# Altium PCB RFMC.PcbDoc (part 5 of 5) (continued)
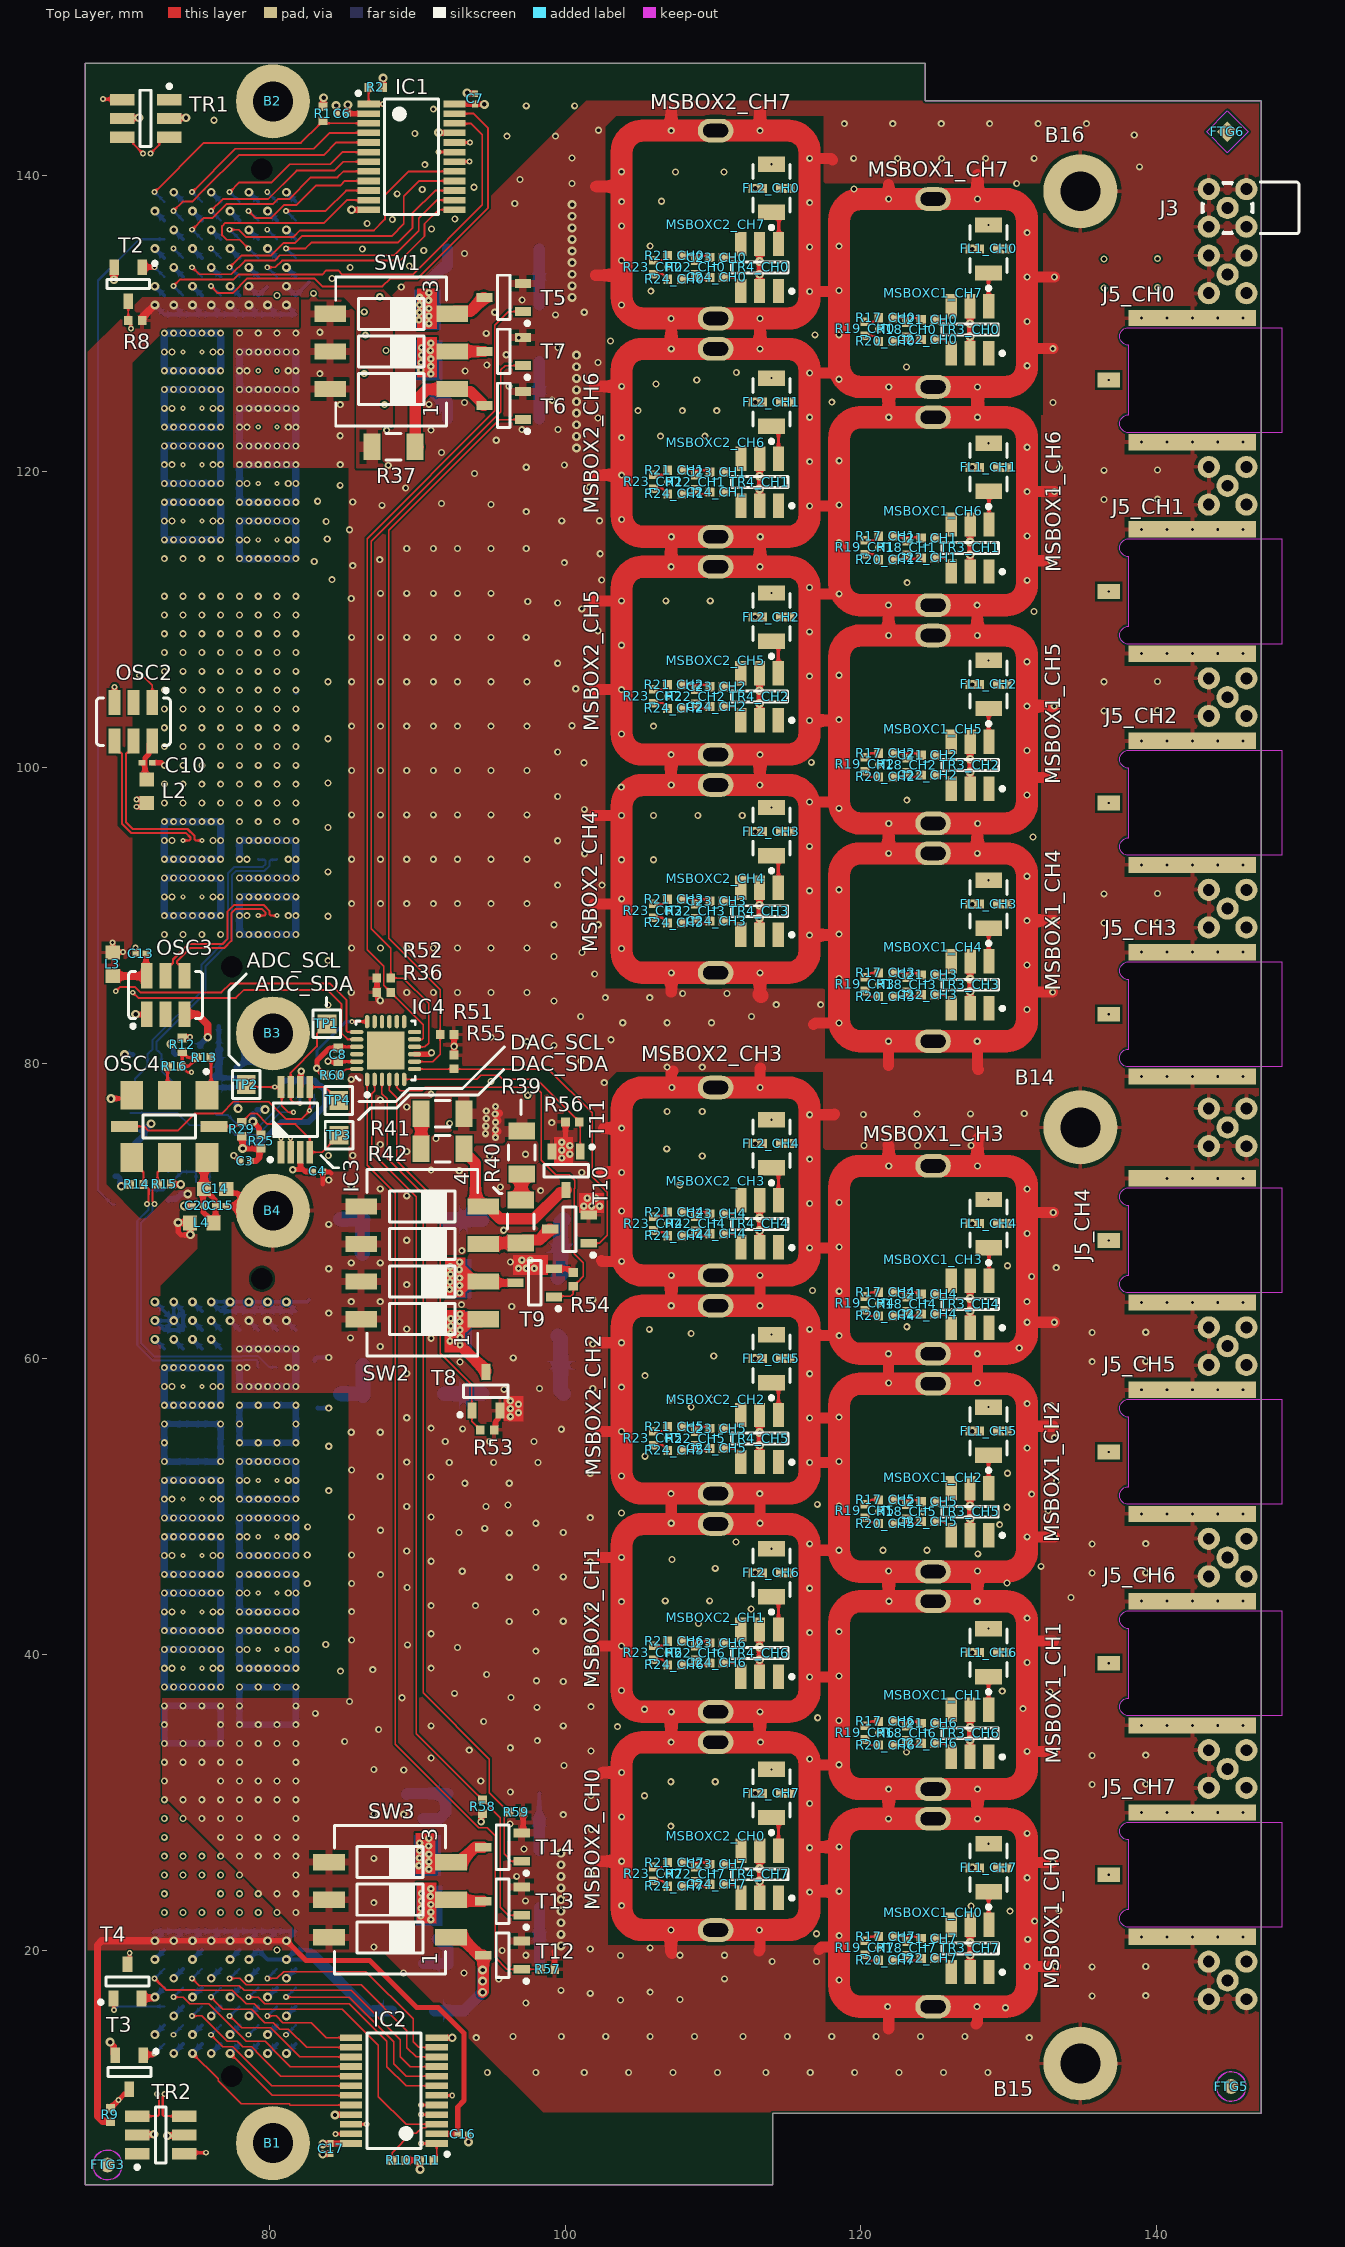
[diagram p0: Top Layer view]
## Nets (pads, with @x,y where several pads share a name; then routed paths per layer and width w, separated by ;. In a path a pad name is that pad's centre, name@x,y a point inside that pad or via, vN(x,y) a via of type N, cw(c..) or ccw(c..) an arc to the next point about the centre after c; other vN are vias at no path point) (continued)
  Top Layer w0.4: R12.1@74.125,81.695 74.18,81.75 v5(74.65,81.75)
  Top Layer w0.5: R9.1@69.275,8.43 69.235,8.47 68.755,8.47 68.4,8.825 68.4,20.388 68.693,20.681 v2(72.277,20.681) ; R8.1@71.42,130.2 71.46,130.24 71.46,130.423 v2(72.277,131.241)
  Layer 2 w0.35: v2(76.087,131.241) 76.662,131.816 76.662,131.936 ; v2(77.357,131.241) 76.662,131.936 ; v2(85.325,144.775) 85.325,144.712 83.638,143.025 82.188,141.575 77.8,141.575 75.5,139.275 75.5,136.225 75.512,136.213 75.512,134.936 75.971,134.477 76.204,134.477 76.662,134.019 76.662,131.936
  Layer 6 w0.35: v6(81.6,72.8) 81.6,73.35 v2(78.9,76.05) 81.65,78.8 82.375,78.8 v6(83.225,79.65)
  Bottom Layer w0.2: v6(83.225,79.65) 83.225,80.85 85.175,82.8 v4(85.6,82.8)
  Bottom Layer w0.254: 72.167,21.235 72.248,21.316 J2.h34@72.912,21.316 ; v2(72.277,20.681) J2.h34@72.912,21.316 ; v2(72.277,131.241) J1.h7@72.912,130.606 J1.g7@74.182,130.606 ; v2(73.547,20.681) J2.g34@74.182,21.316 ; v2(73.547,131.241) J1.g7@74.182,130.606 ; v2(74.817,20.681) J2.f34@75.452,21.316 ; v2(74.817,131.241) J1.f7@75.452,130.606 ; v2(76.087,20.681) J2.e34@76.722,21.316 ; v2(76.087,131.241) J1.e7@76.722,130.606 ; v2(77.357,20.681) J2.d34@77.992,21.316 ; v2(77.357,131.241) J1.d7@77.992,130.606 ; v2(78.627,20.681) J2.c34@79.262,21.316 ; v2(78.627,131.241) J1.c7@79.262,130.606 ; v2(79.897,20.681) J2.b34@80.532,21.316 ; v2(79.897,131.241) J1.b7@80.532,130.606 ; v2(81.167,20.681) J2.a34@81.802,21.316 J2.b34@80.532,21.316 ; v2(81.167,131.241) J1.a7@81.802,130.606 J1.b7@80.532,130.606 ; J2.h34@72.912,21.316 J2.g34@74.182,21.316 ; J2.g34@74.182,21.316 J2.f34@75.452,21.316 ; J1.g7@74.182,130.606 J1.f7@75.452,130.606 ; J2.f34@75.452,21.316 J2.e34@76.722,21.316 ; J1.f7@75.452,130.606 J1.e7@76.722,130.606 ; J2.e34@76.722,21.316 J2.d34@77.992,21.316 ; J1.e7@76.722,130.606 J1.d7@77.992,130.606 ; J2.d34@77.992,21.316 J2.c34@79.262,21.316 ; J1.d7@77.992,130.606 J1.c7@79.262,130.606 ; J2.c34@79.262,21.316 J2.b34@80.532,21.316 ; J1.c7@79.262,130.606 J1.b7@80.532,130.606
  Bottom Layer w0.35: v2(74.5,71.15) v2@74.548,71.198 ; v2(78.9,76.05) L1.1@78.9,76.6 ; L1.1@79.175,76.85 v2(79.725,76.85)
  Bottom Layer w0.4: R3.1@73.2,70.73 73.29,70.82 73.72,70.82 74.039,71.139 74.489,71.139 v2(74.5,71.15)
  Bottom Layer w0.74: 90.425,19.15 92,19.15 92.075,19.075 92.075,20.2 91.93,20.345 91.805,20.345 91.355,20.795 91.351,20.795
  Bottom Layer w0.76: 89.275,30.575 89.325,30.625 R49.1@92.05,30.625 92.075,30.625 91.93,30.48 91.93,29.355 91.5,28.925 90.4,28.925 ; 90.825,125.6 91.605,124.82 91.905,124.82 92.05,124.675 R43.1@92.05,123.55 ; 90.9,132.9 91.045,133.045 91.045,133.099 91.326,133.38 91.355,133.38 91.73,133.755 91.905,133.755 92.05,133.9 R45.1@92.05,135.025
P12V0: J2.a1 J2.b1 J2.c1 J2.d1 J2.e1 R30.1 R33.1 | length 27.4
  Bottom Layer w0.254: 82.7,64 82.561,63.861 v2(81.167,63.861) ; J2.e1@76.722,63.226 v2(77.357,63.861) ; J2.e1@76.722,63.226 J2.d1@77.992,63.226 ; J2.e1@76.722,63.226 v2(76.087,63.861) v2(77.357,63.861) ; v2(77.357,63.861) v2(78.627,63.861) ; v2(77.357,63.861) J2.d1@77.992,63.226 ; J2.d1@77.992,63.226 v2(78.627,63.861) ; J2.d1@77.992,63.226 J2.c1@79.262,63.226 ; v2(78.627,63.861) v2(79.897,63.861) ; v2(78.627,63.861) J2.c1@79.262,63.226 ; J2.c1@79.262,63.226 v2(79.897,63.861) ; J2.c1@79.262,63.226 J2.b1@80.532,63.226 ; v2(79.897,63.861) v2(81.167,63.861) ; v2(79.897,63.861) J2.b1@80.532,63.226 ; J2.b1@80.532,63.226 v2(81.167,63.861) ; J2.b1@80.532,63.226 J2.a1@81.802,63.226 v2(81.167,63.861)
  Bottom Layer w1: 84.8,57.65 R30.1@86.35,57.65 86.35,57.523 86.35,59.554 ; 84.825,69.45 R33.1@86.35,69.45 86.3,69.4 86.3,67.125
RFMC_I2C_SCL: IC1.22 IC2.22 IC3.1 IC4.19 J1.g6 | length 206.6
  Top Layer w0.127: v4(69.625,84.85) 69.925,85.15 70.925,85.15 71.3,84.775 76.775,84.775 77.375,85.375 84.125,85.375 85.225,84.275 85.225,82.175 85.3,82.1 IC4.19@85.925,82.1 ; v5(73.521,132.519) 73.977,132.974 77.599,132.974 77.925,133.3 83.575,133.3 83.85,133.575 84.675,133.575 84.95,133.3 89.7,133.3 94.4,138 94.4,142.75 93.65,143.5 93.125,143.5 93.1,143.525 IC1.22@92.525,143.525 ; IC3.1@80.8,73.975 v4(80.8,74.925) ; IC2.22@85.525,8.275 v5(86.575,8.275)
  Layer 2 w0.127: v5(73.521,132.519) 72.975,131.972 71.047,131.972 69.75,130.675 69.75,107 68.3,105.55 68.3,86.2 70.225,84.275 74,84.275 76.125,82.15 76.5,81.775 76.5,81.05 80.748,76.802 80.748,75.353 80.8,75.301 v4(80.8,74.925) 80.75,74.925 80.05,74.225 79.7,74.225 76.75,71.275 76.75,69.82 70.65,63.72 70.65,20.975 70.975,20.65 70.975,19.375 70.2,18.6 70.2,13.675 74.1,9.775 81.65,9.775 84.3,7.125 85.425,7.125 v5(86.575,8.275)
  Bottom Layer w0.15: v5@73.54,132.519 J1.g6@74.182,131.876
RFMC_I2C_SDA: IC1.23 IC2.23 IC3.2 IC4.20 J1.e6 | length 202.3
  Top Layer w0.127: v4(70.775,84.775) 71.15,84.4 77.75,84.4 78.3,84.95 83.925,84.95 84.9,83.975 84.9,82 85.3,81.6 IC4.20@85.925,81.6 ; v5(76.061,132.519) 76.533,132.047 77.549,132.047 78.018,132.516 78.018,132.557 78.486,133.025 83.075,133.025 83.6,132.5 87.65,132.5 88.175,133.025 90,133.025 94.8,137.825 94.8,143.2 93.825,144.175 IC1.23@92.525,144.175 ; IC3.2@81.45,73.975 v4(81.45,74.925) ; v5(84.475,7.625) IC2.23@85.525,7.625
  Layer 2 w0.127: 68.75,86.8 v4(70.775,84.775) 73.821,84.775 76.925,81.671 76.925,81.33 78.82,79.435 78.82,79.126 80.975,76.971 80.975,75.447 81.45,74.972 v4(81.45,74.925) 81.45,74.9 80.525,73.975 80.15,73.975 77.325,71.15 77.325,69.575 71.127,63.377 71.127,41.366 71.202,41.291 71.202,19.281 71,19.079 71,13.79 74.615,10.175 81.925,10.175 v5(84.475,7.625)
  Layer 2 w0.15: 68.75,86.8 68.75,98.925 70.225,100.4 70.225,130.2 71.741,131.716 75.259,131.716 v5(76.061,132.519)
  Bottom Layer w0.15: v5@76.08,132.519 J1.e6@76.722,131.876
SW1: IC4.1 R57.1 T12.1 | length 66.7
  Top Layer w0.1: IC4.1@86.625,78.9 86.625,73.1 88.525,71.2 88.525,33.959 94.159,28.325 94.725,28.325 95.275,27.775 95.275,19.55 96.075,18.75 T12.1@97.075,18.75 R57.1@98.355,18.75
SW2: IC4.2 R58.1 T13.1 | length 61.3
  Top Layer w0.1: IC4.2@87.125,78.9 87.125,78.118 86.95,77.943 86.95,73.975 89.95,70.975 89.95,34.675 94.405,30.22 95.625,29 95.625,22.925 96.15,22.4 T13.1@97.075,22.4
SW3: IC4.3 R59.1 T14.1 | length 57.4
  Top Layer w0.1: IC4.3@87.625,78.9 87.625,77.932 87.975,77.582 87.975,73.575 90.4,71.15 90.4,37.425 94.89,32.935 94.89,30.685 R59.1@96.175,29.4 ; R59.1@96.23,29.375 96.23,29.355 95.99,29.115 95.97,29.115 95.875,29.02 95.875,26.55 96.375,26.05 T14.1@97.075,26.05
SW4: IC4.4 R53.1 T8.1 | length 26.3
  Top Layer w0.1: IC4.4@88.125,78.9 88.125,78.15 88.625,77.65 88.625,73.4 91.55,70.475 91.55,60.4 93.7,58.25 T8.1@93.7,56.525 93.7,55.78 94.02,55.46 94.04,55.46 94.28,55.22 R53.1@94.28,55.2
SW5: IC4.5 R54.1 T9.1 | length 27.6
  Top Layer w0.1: IC4.5@88.625,78.9 88.625,78.35 88.85,78.125 90.325,78.125 90.55,78.35 98.05,78.35 98.4,78 98.4,73.425 99.375,72.45 100.275,72.45 100.65,72.075 100.65,71.525 100.633,71.508 100.633,67.1 101.225,66.508 101.225,65.58 100.81,65.165 100.81,65.145 R54.1@100.56,64.895 ; T9.1@99.25,64.2 99.296,64.246 100.396,64.246 100.55,64.4 R54.1@100.55,64.905
SW6: IC4.6 R56.1 T11.1 | length 15.3
  Top Layer w0.1: IC4.6@89.125,78.9 94.025,78.9 94.3,79.175 95.525,79.175 95.8,78.9 98.1,78.9 101.025,75.975 T11.1@101.025,74.025
SW7: IC4.7 R55.1 T10.1 | length 23.4
  Top Layer w0.1: IC4.7@89.825,79.6 92.5,79.6 98.875,79.6 101.825,76.65 101.825,72.307 102.85,71.282 102.85,68.35 102.325,67.825 T10.1@101.6,67.825
SW8: IC4.8 R51.1 T6.1 | length 51
  Top Layer w0.1: IC4.8@89.825,80.1 91.05,80.1 91.555,80.605 91.555,84.945 88.075,88.425 88.075,116.025 95.55,123.5 T6.1@97.15,123.5
SW9: IC4.10 R52.1 T7.1 | length 53.9
  Top Layer w0.1: R52.1@88.22,85.75 89.075,85.75 90.775,84.05 90.775,81.35 90.525,81.1 IC4.10@89.825,81.1 ; R52.1@88.225,85.725 88.225,87.75 86.9,89.075 86.9,115.275 95.65,124.025 95.65,126.85 95.95,127.15 T7.1@97.15,127.15
SW10: IC4.11 R36.1 T5.1 | length 56.3
  Top Layer w0.1: IC4.11@89.825,81.6 90.35,81.6 90.425,81.675 90.425,82.575 88.485,84.515 88.465,84.515 88.225,84.755 R36.1@88.225,84.775 88.225,84.795 87.985,85.035 87.965,85.035 87.746,85.254 87.746,86.554 86.625,87.675 86.625,115.45 95.25,124.075 95.25,129.875 96.175,130.8 T5.1@97.15,130.8
VCM01_224: J1.a21
VCM01_225: J1.c21
VCM01_226: J1.e21
VCM01_227: J1.g21
VCM23_224: J1.b21
VCM23_225: J1.d21
VCM23_226: J1.f21
VCM23_227: J1.h21
pads on no net: FTG1.FTG2 FTG2.1 FTG3.FTG2 FTG4.1 FTG5.FTG2 FTG6.1 IC4.12 IC4.13 IC4.14 IC4.15 IC4.16 IC4.17 IC4.22 IC4.25 J1.1 J1.2 J2.1 J2.2 J2.b7 J2.b22 J2.b25 J2.b28 J2.b31 J2.c7 J2.c22 J2.c25 J2.c28 J2.c31 J2.e35 J2.f8 J2.f23 J2.f26 J2.f29 J2.f32 J2.g8 J2.g23 J2.g26 J2.g29 J2.g32 J2.g35 OSC2.2 OSC3.2 TR1.1 TR2.1 TR3_CH0.1 TR3_CH1.1 TR3_CH2.1 TR3_CH3.1 TR3_CH4.1 TR3_CH5.1 TR3_CH6.1 TR3_CH7.1 TR4_CH0.1 TR4_CH1.1 TR4_CH2.1 TR4_CH3.1 TR4_CH4.1 TR4_CH5.1 TR4_CH6.1 TR4_CH7.1
copper on no net:
  other v1: 136.425,132.389 140.05,132.409 136.425,134.355 140.05,134.375

## Polygon pours and split planes (outlines as drawn)
GND on Layer 2 "GND_L03_P018" (solid, remove dead copper, pour order 18): 67.575,4.191 114.046,4.191 114.046,9.017 147.05,9.017 147.05,145.034 124.333,145.034 124.333,147.574 67.575,147.574
P1V8 on Layer 2 "P1V8_L03_P005" (solid, pour order 5): 81.525,18.6 81.525,28.775 72.65,37.65 72.65,58.589 84,69.939 84,81.85 72.7,93.15 72.7,129.375 72.925,129.6 80.5,129.6 81.575,130.675 81.575,133.025 77.975,133.025 77.975,132.493 76.507,131.025 72.45,131.025 71.2,129.775 71.2,87.5 80.975,77.725 80.975,72.925 71.15,63.1 71.15,19.425 71.95,18.625
P3V3 on Layer 2 "P3V3_L03_P002" (solid, pour order 2): 73.25,71.475 77.725,75.95 77.725,77.325 74.025,81.025 74.025,82.375 75.425,82.375 80.425,77.375 80.425,74.175 74.725,68.475 73.25,68.475
P3V3 on Layer 2 "P3V3_L03_P003" (solid, pour order 3): 71.425,98.2 71.425,87.925 70.525,87.025 69.5,87.025 69.2,87.325 69.2,98.2
GND on Top Layer "GND_L01_P020" (solid, remove dead copper, pour order 20): 147.05,9.075 98.525,9.075 85.375,22.225 85.375,128.975 101.434,145.034 147.05,145.034
GND on Top Layer "GND_L01_P015" (solid, pour order 15): 88.25,60.2 85.775,57.725 77.475,57.725 77.475,71.6 78.575,72.7 78.625,72.65 88.25,72.65
GND on Top Layer "GND_L01_P016" (solid, pour order 16): 85.9,130.9 85.9,120.225 77.525,120.225 77.575,120.275 77.575,129.75 81,129.75 82,130.75 82,131.728 82.022,131.75 85.05,131.75
GND on Top Layer "GND_L01_P014" (solid, pour order 14): 96.225,124.175 97.625,124.175 100.625,121.175 101.175,121.175 101.3,121.3 101.3,138.625 100.25,138.625 96.225,134.6
P1V8 on Top Layer "P1V8_L01_P012" (solid, pour order 12): 78.25,132.789 78.25,131.75 85.05,131.75 85.9,130.9 85.9,120.225 85.925,120.2 88.35,120.2 88.35,131.65 86.975,133.025 78.486,133.025
GND on Top Layer "GND_L01_P009" (solid, remove dead copper, pour order 9): 96.375,28.525 96.375,19.525 100.525,19.525 100.525,28.525
GND on Top Layer "GND_L01_P008" (solid, pour order 8): 87.7,19.9 87.7,35.15 85.775,37.075 72.55,37.075 72.55,30.568 81.525,21.593 81.525,20.85 82.475,19.9
P3V3 on Top Layer "P3V3_L01_P001" (solid, pour order 1): 81.525,20.05 81.525,21.593 72.625,30.493 72.625,64.95 75.125,67.45 75.125,71.614 73.789,71.614 71.65,69.475 71.3,69.475 68.975,71.8 68.975,85.687 70.75,87.462 70.75,127.35 73.15,129.75 82,129.75 82,131.75 71.425,131.75 67.55,127.875 67.575,20.05
DAC_AVTT on Top Layer "DAC_AVTT_L01_P011" (solid, remove dead copper, pour order 11): 91.185,75.325 92.375,75.325 93.291,74.584 97.975,74.55 97.975,78.25 91.185,78.25
GND on Bottom Layer "GND_L08_P023" (solid, remove dead copper, pour order 23): 67.575,4.191 114.046,4.191 114.046,9.017 147.05,9.017 147.05,145.034 124.333,145.034 124.333,147.574 67.575,147.574
DAC_AVTT on Bottom Layer "DAC_AVTT_L06_P010" (solid, remove dead copper, pour order 10): 74.7,61.55 74.7,66.45 79.36,71.11 97.035,71.11 98.625,72.7 98.625,76.475 97.275,77.825 84.375,77.825 81.075,74.525 81.025,74.575 78.675,74.575 74.525,70.425 72.65,70.425 71.8,69.575 71.8,61.525
P12V0 on Bottom Layer "P12V0_L08_P006" (solid, remove dead copper, pour order 6): 87.3,71.11 87.3,55.65 83.625,55.65 83.625,60.167 81.167,62.625 76.322,62.625 75.723,63.225 75.723,67.523 79.281,71.081
P1V8 on Bottom Layer "P1V8_L08_P021" (solid, remove dead copper, pour order 21): 81.973,131.654 95.025,144.706 95.025,147.57 95.029,147.574 82.841,147.574 82.841,135.064 80.842,133.065 78.115,133.065 78.1,133.05 78.1,131.654
P1V8 on Bottom Layer "P1V8_L08_P017" (solid, remove dead copper, pour order 17): 78.6,20.35 78.6,18.975 83.65,18.975 83.65,20.35
P3V3 on Bottom Layer "P3V3_L08_P013" (solid, remove dead copper, pour order 13): 72.403,129.336 76.722,129.336 76.722,124.256 85.67,124.256 89.676,120.25 93.153,120.25 93.153,138 88.319,138 82.016,131.697 72.408,131.697
P3V3 on Bottom Layer "P3V3_L08_P007" (solid, remove dead copper, pour order 7): 71.85,20.3 84.725,20.3 87.55,17.475 92.6,17.475 92.6,32.475 71.85,32.475
GND on Layer 1 "GND_L03_P000" (solid, pour order 0): 67.575,147.574 124.333,147.574 124.333,145.034 147.05,145.034 147.05,9.017 114.046,9.017 114.046,4.191 67.575,4.191
GND on Layer 6 "GND_L07_P022" (solid, pour order 22): 67.575,4.191 114.046,4.191 114.046,9.017 147.05,9.017 147.05,145.034 124.333,145.034 124.333,147.574 67.575,147.574
GND on Layer 5 "GND_L06_P019" (solid, remove dead copper, pour order 19): 67.575,4.191 114.046,4.191 114.046,9.017 147.05,9.017 147.05,145.034 124.333,145.034 124.333,147.574 67.575,147.574
GND on Layer 4 (split plane): 489 vertices, not listed, extent 68.085,4.701 146.54,147.064
GND on Layer 3 (split plane): 489 vertices, not listed, extent 68.085,4.701 146.54,147.064

## Keep-outs
Keep-Out Layer:
  lines w0.05: 67.575,4.191 114.046,4.191 114.046,9.017 147.05,9.017 147.05,145.034 ; 67.575,4.191 67.575,4.191 ; 67.575,4.191 67.575,147.574 ; 67.575,147.574 67.575,147.574 ; 67.575,147.574 124.333,147.574 ; 124.333,145.034 124.333,147.574 ; 124.333,145.034 124.333,145.034 ; 124.333,145.034 147.05,145.034 ; 124.333,147.574 124.333,147.574 ; 147.05,145.034 147.05,145.034

## Other copper
Top Layer:
  rectangle net NetOSC3_1: 70.975,83.075 71.375,83.495
  rectangle net ADCIO_16: 87.45,144.65 87.625,144.975
  rectangle net ADC_OSC_I2C_SCL: 80.45,78.225 80.6,78.5
  region net GND: 96.475,67.025 96.475,65.675 98.845,65.675 98.845,67.025
  region net GND: 100.55,74.992 99.25,74.992 99.25,73.259 100.55,73.259
  region net GND: 100.95,71.225 100.95,69.875 102.625,69.875 102.625,71.225
  region net GND: 97.2,57.5 95.85,57.5 95.85,55.767 97.2,55.767
  rectangle net NetR46_2: 89.986,129.607 91.336,132.357
  rectangle net NetR44_2: 89.986,126.332 91.336,129.082
  rectangle net NetR50_2: 89.9,25.2 91.25,27.95
  rectangle net NetR48_2: 89.95,21.85 91.3,24.6
  rectangle net NetR35_2: 91.888,64.15 93.263,66.875
  rectangle net NetR32_2: 91.85,60.45 93.225,63.3
  pour cut-out: 132.275,123.82 117.62,123.82 117.595,123.845 117.595,139.45 132.275,139.45
  pour cut-out: 117.45,128.79 117.45,114.34 102.75,114.34 102.75,128.79 102.925,128.965 117.45,128.965
  pour cut-out: 117.445,143.295 117.445,128.845 102.75,128.845 102.75,143.3 103.45,144 117.445,144
  pour cut-out: 132.15,123.765 132.15,109.315 117.625,109.315 117.6,109.34 117.6,123.915 117.625,123.94 132.15,123.94
  pour cut-out: 117.44,114.29 117.44,99.84 102.75,99.84 102.75,114.3 102.915,114.465 117.44,114.465
  pour cut-out: 132.14,109.265 132.14,94.815 117.615,94.815 117.59,94.84 117.59,109.415 117.615,109.44 132.14,109.44
  pour cut-out: 117.44,99.79 117.44,85.073 102.75,85.073 102.75,99.8 102.915,99.965 117.44,99.965
  pour cut-out: 132.14,94.765 132.14,80.315 117.615,80.315 117.59,80.34 117.59,94.915 117.615,94.94 132.14,94.94
  pour cut-out: 117.45,78.65 117.45,64.2 102.925,64.2 102.9,64.225 102.9,78.8 103.5,79.4 117.45,79.4
  pour cut-out: 132.15,73.625 132.15,59.175 117.625,59.175 117.6,59.2 117.6,74.15 132.15,74.15
  pour cut-out: 117.445,64.145 117.445,49.695 102.92,49.695 102.895,49.72 102.895,64.295 102.92,64.32 117.445,64.32
  pour cut-out: 132.145,59.12 132.145,44.67 117.62,44.67 117.595,44.695 117.595,59.27 117.62,59.295 132.145,59.295
  pour cut-out: 117.445,49.645 117.445,35.195 102.92,35.195 102.895,35.22 102.895,49.795 102.92,49.82 117.445,49.82
  pour cut-out: 132.145,44.62 132.145,30.17 117.62,30.17 117.595,30.195 117.595,44.77 117.62,44.795 132.145,44.795
  pour cut-out: 132.15,30.075 132.15,15.175 117.6,15.175 117.6,30.225 117.625,30.25 132.15,30.25
  pour cut-out: 117.45,35.1 117.45,20.375 102.9,20.375 102.9,35.25 102.925,35.275 117.45,35.275
Bottom Layer:
  rectangle net NetR44_2: 89.925,126.134 91.723,128.884
  rectangle net NetR46_2: 89.8,129.534 91.598,132.284
  rectangle net NetR50_2: 89.8,25.059 91.598,27.809
  rectangle net NetR48_2: 89.925,21.659 91.723,24.409
  rectangle net NetR35_2: 91.875,64.075 93.673,66.759
  rectangle net NetR32_2: 91.9,60.5 93.699,63.25

## Silkscreen, mask and mechanical layers (free items; w line width, h text height)
Top Overlay:
  lines w0.2: 77.95,79.875 77.275,80.55 77.275,82.425 77.275,84.85 78.45,86.025 ; 83.5,73.75 84.325,72.925 84.7,72.925 ; 83.875,83.875 83.875,84.425 ; 86.05,76.175 86.825,76.95 88.6,76.95 89.5,77.85 94.125,77.85 95.85,79.575 ; 86.075,77.4 88.575,77.4 89.375,78.2 89.45,78.275 93.075,78.275 95.9,81.1 ; 95.175,71.575 95.55,71.2 95.75,71.2 ; 97.025,76.525 97.025,77.5
  text "ADC_SCL" at 78.492,86.46 h1
  text "ADC_SDA" at 79.05,84.842 h1
  text "DAC_SCL" at 96.292,80.91 h1
  text "DAC_SDA" at 96.292,79.435 h1
Mechanical 1:
  lines w0.05: 145.158,9.017 147.05,9.017 147.05,21.591 146.7,21.591 ; 145.161,9.017 137.223,9.017 114.046,9.017 114.046,4.191 ; 146.7,28.691 147.05,28.691 147.05,35.881 146.7,35.881 ; 146.7,42.981 147.05,42.981 147.05,50.171 146.7,50.171 ; 146.7,57.271 147.05,57.271 147.05,64.461 146.7,64.461 ; 146.7,71.561 147.05,71.561 147.05,79.745 146.7,79.745 ; 146.7,86.845 147.05,86.845 147.05,94.035 146.7,94.035 ; 146.7,101.135 147.05,101.135 147.05,108.325 146.7,108.325 ; 146.7,115.425 147.05,115.425 147.05,122.615 146.7,122.615 ; 146.7,129.715 147.05,129.715 147.05,130.034 ; 147.05,130.033 147.05,145.034 ; 67.575,4.191 67.575,147.574 ; 67.575,4.191 67.575,4.191 ; 67.575,4.191 114.046,4.191 ; 67.575,147.574 124.333,147.574 ; 67.575,147.574 67.575,147.574 ; 114.046,4.191 114.046,4.191 ; 124.333,145.034 147.05,145.034 ; 124.333,145.034 124.333,145.034 ; 124.333,145.034 124.333,147.574 ; 124.333,147.574 124.333,147.574 ; 147.05,145.034 147.05,145.034
Drill Drawing:
  drawing of 588 lines, arcs and shapes, not listed
  text "Layer" at 168.043,194.84 h1.52
  text "Name" at 178.455,194.84 h1.52
  text "Material" at 202.071,194.84 h1.52
  text "Thickness" at 223.909,194.84 h1.52
  text "Constant" at 240.415,194.84 h1.52
  text "Board Layer Stack" at 254.889,194.84 h1.52
  text "Top Overlay" at 178.455,191.792 h1.52
  text "Top Solder" at 178.455,188.744 h1.52
  text "Solder Resist" at 202.071,188.744 h1.52
  text "0,010mm" at 223.909,188.744 h1.52
  text "3.5" at 240.415,188.744 h1.52
  text "1" at 168.043,185.696 h1.52
  text "Top Layer" at 178.455,185.696 h1.52
  text "0,036mm" at 223.909,185.696 h1.52
  text "Dielectric 1" at 178.455,182.648 h1.52
  text "FR408HR" at 202.071,182.648 h1.52
  text "0,102mm" at 223.909,182.648 h1.52
  text "3.32" at 240.415,182.648 h1.52
  text "2" at 168.043,179.6 h1.52
  text "Layer 1" at 178.455,179.6 h1.52
  text "0,018mm" at 223.909,179.6 h1.52
  text "Dielectric 2" at 178.455,176.552 h1.52
  text "FR408HR" at 202.071,176.552 h1.52
  text "0,152mm" at 223.909,176.552 h1.52
  text "3.6" at 240.415,176.552 h1.52
  text "3" at 168.043,173.504 h1.52
  text "Layer 2" at 178.455,173.504 h1.52
  text "0,018mm" at 223.909,173.504 h1.52
  text "Dielectric 5" at 178.455,170.456 h1.52
  text "FR408HR" at 202.071,170.456 h1.52
  text "0,107mm" at 223.909,170.456 h1.52
  text "3.57" at 240.415,170.456 h1.52
  text "4" at 168.043,167.408 h1.52
  text "Layer 3" at 178.455,167.408 h1.52
  text "0,035mm" at 223.909,167.408 h1.52
  text "Dielectric 6" at 178.455,164.36 h1.52
  text "FR408HR" at 202.071,164.36 h1.52
  text "0,711mm" at 223.909,164.36 h1.52
  text "3.75" at 240.415,164.36 h1.52
  text "5" at 168.043,161.312 h1.52
  text "Layer 4" at 178.455,161.312 h1.52
  text "0,035mm" at 223.909,161.312 h1.52
  text "Dielectric 3" at 178.455,158.264 h1.52
  text "FR408HR" at 202.071,158.264 h1.52
  text "0,107mm" at 223.909,158.264 h1.52
  text "3.57" at 240.415,158.264 h1.52
  text "6" at 168.043,155.216 h1.52
  text "Layer 5" at 178.455,155.216 h1.52
  text "0,018mm" at 223.909,155.216 h1.52
  text "Dielectric 4" at 178.455,152.168 h1.52
  text "FR408HR" at 202.071,152.168 h1.52
  text "0,152mm" at 223.909,152.168 h1.52
  text "3.6" at 240.415,152.168 h1.52
  text "7" at 168.043,149.12 h1.52
  text "Layer 6" at 178.455,149.12 h1.52
  text "0,018mm" at 223.909,149.12 h1.52
  text "Dielectric 7" at 178.455,146.072 h1.52
  text "FR408HR" at 202.071,146.072 h1.52
  text "0,102mm" at 223.909,146.072 h1.52
  text "3.32" at 240.415,146.072 h1.52
  text "8" at 168.043,143.024 h1.52
  text "Bottom Layer" at 178.455,143.024 h1.52
  text "0,036mm" at 223.909,143.024 h1.52
  text "Bottom Solder" at 178.455,139.976 h1.52
  text "Solder Resist" at 202.071,139.976 h1.52
  text "0,010mm" at 223.909,139.976 h1.52
  text "3.5" at 240.415,139.976 h1.52
  text "Bottom Overlay" at 178.455,136.928 h1.52
  text "Symbol" at 169.536,129.194 h1.83
  text "Count" at 182.385,129.194 h1.83
  text "Hole Size" at 199.145,129.194 h1.83
  text "Plated" at 228.854,129.194 h1.83
  text "Hole Type" at 241.703,129.194 h1.83
  text "Drill Layer Pair" at 260.342,129.194 h1.83
  text "Via/Pad" at 298.43,129.194 h1.83
  text "Pad Shape" at 313.413,129.194 h1.83
  text "Template" at 332.356,129.194 h1.83
  text "Description" at 362.827,129.194 h1.83
  text "Hole Tolerance (+)" at 384.512,129.194 h1.83
  text "Hole Tolerance (-)" at 418.386,129.194 h1.83
  text "4" at 182.385,125.384 h1.52
  text "57,09mil (1,450mm)" at 199.145,125.384 h1.52
  text "NPTH" at 228.854,125.384 h1.52
  text "Round" at 241.703,125.384 h1.52
  text "Top Layer - Bottom Layer" at 260.342,125.384 h1.52
  text "Pad" at 298.43,125.384 h1.52
  text "Rounded" at 313.413,125.384 h1.52
  text "c45hn145m95" at 332.356,125.384 h1.52
  text "7" at 182.385,121.574 h1.52
  text "106,30mil (2,700mm)" at 199.145,121.574 h1.52
  text "PTH" at 228.854,121.574 h1.52
  text "Round" at 241.703,121.574 h1.52
  text "Top Layer - Bottom Layer" at 260.342,121.574 h1.52
  text "Pad" at 298.43,121.574 h1.52
  text "Rounded" at 313.413,121.574 h1.52
  text "c500h270" at 332.356,121.574 h1.52
  text "32" at 182.385,117.764 h1.52
  text "35,43mil (0,900mm)" at 199.145,117.764 h1.52
  text "PTH" at 228.854,117.764 h1.52
  text "Slot" at 241.703,117.764 h1.52
  text "Top Layer - Bottom Layer" at 260.342,117.764 h1.52
  text "Pad" at 298.43,117.764 h1.52
  text "Rounded" at 313.413,117.764 h1.52
  text "r240_160h90_170r100" at 332.356,117.764 h1.52
  text "50" at 182.385,113.954 h1.52
  text "31,50mil (0,800mm)" at 199.145,113.954 h1.52
  text "PTH" at 228.854,113.954 h1.52
  text "Round" at 241.703,113.954 h1.52
  text "Top Layer - Bottom Layer" at 260.342,113.954 h1.52
  text "Pad" at 298.43,113.954 h1.52
  text "Rounded" at 313.413,113.954 h1.52
  text "c150h80" at 332.356,113.954 h1.52
  text "106" at 182.385,110.144 h1.52
  text "5,91mil (0,150mm)" at 199.145,110.144 h1.52
  text "PTH" at 228.854,110.144 h1.52
  text "Round" at 241.703,110.144 h1.52
  text "Top Layer - Bottom Layer" at 260.342,110.144 h1.52
  text "Via" at 298.43,110.144 h1.52
  text "Rounded" at 313.413,110.144 h1.52
  text "(Mixed)" at 332.356,110.144 h1.52
  text "219" at 182.385,106.334 h1.52
  text "11,81mil (0,300mm)" at 199.145,106.334 h1.52
  text "PTH" at 228.854,106.334 h1.52
  text "Round" at 241.703,106.334 h1.52
  text "Top Layer - Bottom Layer" at 260.342,106.334 h1.52
  text "Via" at 298.43,106.334 h1.52
  text "Rounded" at 313.413,106.334 h1.52
  text "(Mixed)" at 332.356,106.334 h1.52
  text "229" at 182.385,102.524 h1.52
  text "7,87mil (0,200mm)" at 199.145,102.524 h1.52
  text "PTH" at 228.854,102.524 h1.52
  text "Round" at 241.703,102.524 h1.52
  text "Top Layer - Bottom Layer" at 260.342,102.524 h1.52
  text "Via" at 298.43,102.524 h1.52
  text "Rounded" at 313.413,102.524 h1.52
  text "(Mixed)" at 332.356,102.524 h1.52
  text "618" at 182.385,98.714 h1.52
  text "9,84mil (0,250mm)" at 199.145,98.714 h1.52
  text "PTH" at 228.854,98.714 h1.52
  text "Round" at 241.703,98.714 h1.52
  text "Top Layer - Bottom Layer" at 260.342,98.714 h1.52
  text "Via" at 298.43,98.714 h1.52
  text "Rounded" at 313.413,98.714 h1.52
  text "(Mixed)" at 332.356,98.714 h1.52
  text "780" at 182.385,94.904 h1.52
  text "9,84mil (0,250mm)" at 199.145,94.904 h1.52
  text "PTH" at 228.854,94.904 h1.52
  text "Round" at 241.703,94.904 h1.52
  text "Top Layer - Bottom Layer" at 260.342,94.904 h1.52
  text "Via" at 298.43,94.904 h1.52
  text "Rounded" at 313.413,94.904 h1.52
  text "v48h25m0mx0" at 332.356,94.904 h1.52
  text "2045 Total" at 182.385,91.094 h1.52
  text "Slot definitions :" at 169.536,87.412 h1.52
  text "Routed Path Length" at 195.766,87.412 h1.52
  text "= Calculated from tool start centre position to tool end centre position." at 223.774,87.412 h1.52
  text "Hole Length" at 195.766,84.872 h1.52
  text "= Routed Path Length + Tool Size = Slot length as defined in the PCB layout" at 213.363,84.872 h1.52

## Dimensions
189.714,92.696 to 196.464,96.896 on Mechanical 8
189.714,88.946 to 189.714,92.696 on Mechanical 8

## Text inside footprints (layer, text, board x,y; h text height)
FL1_CH0: Drill Drawing "Filled and" at 128.425,132.625 h0.5 r90; Drill Drawing "capped via" at 129.175,132.575 h0.5 r90
FL1_CH1: Drill Drawing "capped via" at 129.18,117.815 h0.5 r90; Drill Drawing "Filled and" at 128.43,117.865 h0.5 r90
FL1_CH2: Drill Drawing "capped via" at 129.18,103.14 h0.5 r90; Drill Drawing "Filled and" at 128.43,103.19 h0.5 r90
FL1_CH3: Drill Drawing "capped via" at 129.18,88.29 h0.5 r90; Drill Drawing "Filled and" at 128.43,88.34 h0.5 r90
FL1_CH4: Drill Drawing "capped via" at 129.18,66.705 h0.5 r90; Drill Drawing "Filled and" at 128.43,66.755 h0.5 r90
FL1_CH5: Drill Drawing "capped via" at 129.175,52.675 h0.5 r90; Drill Drawing "Filled and" at 128.425,52.725 h0.5 r90
FL1_CH6: Drill Drawing "capped via" at 129.175,37.7 h0.5 r90; Drill Drawing "Filled and" at 128.425,37.75 h0.5 r90
FL1_CH7: Drill Drawing "capped via" at 129.18,23.155 h0.5 r90; Drill Drawing "Filled and" at 128.43,23.205 h0.5 r90
FL2_CH0: Drill Drawing "Filled and" at 113.75,136.725 h0.5 r90; Drill Drawing "capped via" at 114.5,136.675 h0.5 r90
FL2_CH1: Drill Drawing "Filled and" at 113.75,122.275 h0.5 r90; Drill Drawing "capped via" at 114.5,122.225 h0.5 r90
FL2_CH2: Drill Drawing "capped via" at 114.5,107.7 h0.5 r90; Drill Drawing "Filled and" at 113.75,107.75 h0.5 r90
FL2_CH3: Drill Drawing "capped via" at 114.5,93.2 h0.5 r90; Drill Drawing "Filled and" at 113.75,93.25 h0.5 r90
FL2_CH4: Drill Drawing "capped via" at 114.5,72.1 h0.5 r90; Drill Drawing "Filled and" at 113.75,72.15 h0.5 r90
FL2_CH5: Drill Drawing "capped via" at 114.5,57.575 h0.5 r90; Drill Drawing "Filled and" at 113.75,57.625 h0.5 r90
FL2_CH6: Drill Drawing "capped via" at 114.5,43.1 h0.5 r90; Drill Drawing "Filled and" at 113.75,43.15 h0.5 r90
FL2_CH7: Drill Drawing "capped via" at 114.5,28.185 h0.5 r90; Drill Drawing "Filled and" at 113.75,28.235 h0.5 r90
J1: Mechanical 14 "40" at 82.982,87.661 h1 r90; Mechanical 14 "g" at 74.482,142.961 h1; Mechanical 14 "h" at 73.082,142.961 h1; Mechanical 14 "f" at 75.682,142.961 h1; Mechanical 14 "e" at 77.082,142.961 h1; Mechanical 14 "d" at 78.282,142.961 h1; Mechanical 14 "c" at 79.582,142.961 h1; Mechanical 14 "b" at 80.882,142.961 h1; Mechanical 14 "a" at 82.082,142.961 h1; Mechanical 14 "1" at 82.982,138.561 h1; Bottom Overlay "40" at 82.982,87.661 h1 r90; Bottom Overlay "1" at 82.982,138.561 h1
J2: Mechanical 14 "40" at 82.982,12.661 h1 r90; Mechanical 14 "g" at 74.482,67.961 h1; Mechanical 14 "h" at 73.082,67.961 h1; Mechanical 14 "f" at 75.682,67.961 h1; Mechanical 14 "e" at 77.082,67.961 h1; Mechanical 14 "d" at 78.282,67.961 h1; Mechanical 14 "c" at 79.582,67.961 h1; Mechanical 14 "b" at 80.882,67.961 h1; Mechanical 14 "a" at 82.082,67.961 h1; Mechanical 14 "1" at 82.982,63.561 h1; Bottom Overlay "40" at 82.982,12.661 h1 r90; Bottom Overlay "1" at 82.982,63.561 h1
J5_CH0: Drill Drawing "r0.6" at 139.286,128.398 h1; Drill Drawing "8.6" at 141.512,124.556 h1; Drill Drawing "7.1" at 144.639,125.921 h1 r90; Mechanical 8 "2.5mm" at 144.75,127.415 h1; Mechanical 8 "3mm" at 149.8,127.44 h1
J5_CH1: Drill Drawing "7.1" at 144.639,111.631 h1 r90; Drill Drawing "8.6" at 141.512,110.266 h1; Drill Drawing "r0.6" at 139.286,114.108 h1; Mechanical 8 "3mm" at 149.8,113.15 h1; Mechanical 8 "2.5mm" at 144.75,113.125 h1
J5_CH2: Drill Drawing "7.1" at 144.639,97.341 h1 r90; Drill Drawing "8.6" at 141.512,95.976 h1; Drill Drawing "r0.6" at 139.286,99.818 h1; Mechanical 8 "3mm" at 149.8,98.86 h1; Mechanical 8 "2.5mm" at 144.75,98.835 h1
J5_CH3: Drill Drawing "r0.6" at 139.286,85.528 h1; Drill Drawing "8.6" at 141.512,81.686 h1; Drill Drawing "7.1" at 144.639,83.051 h1 r90; Mechanical 8 "2.5mm" at 144.75,84.545 h1; Mechanical 8 "3mm" at 149.8,84.57 h1
J5_CH4: Drill Drawing "r0.6" at 139.286,70.244 h1; Drill Drawing "8.6" at 141.512,66.402 h1; Drill Drawing "7.1" at 144.639,67.767 h1 r90; Mechanical 8 "2.5mm" at 144.75,69.261 h1; Mechanical 8 "3mm" at 149.8,69.286 h1
J5_CH5: Drill Drawing "7.1" at 144.639,53.477 h1 r90; Drill Drawing "8.6" at 141.512,52.112 h1; Drill Drawing "r0.6" at 139.286,55.954 h1; Mechanical 8 "3mm" at 149.8,54.996 h1; Mechanical 8 "2.5mm" at 144.75,54.971 h1
J5_CH6: Drill Drawing "7.1" at 144.639,39.187 h1 r90; Drill Drawing "8.6" at 141.512,37.822 h1; Drill Drawing "r0.6" at 139.286,41.664 h1; Mechanical 8 "3mm" at 149.8,40.706 h1; Mechanical 8 "2.5mm" at 144.75,40.681 h1
J5_CH7: Drill Drawing "r0.6" at 139.286,27.374 h1; Drill Drawing "8.6" at 141.512,23.532 h1; Drill Drawing "7.1" at 144.639,24.897 h1 r90; Mechanical 8 "2.5mm" at 144.75,26.391 h1; Mechanical 8 "3mm" at 149.8,26.416 h1
SW1: Top Overlay "3" at 91.425,132.069 h1 r90; Top Overlay "1" at 91.425,123.655 h1 r90; Mechanical 14 "3" at 91.425,132.069 h1 r90; Mechanical 14 "1" at 91.425,123.655 h1 r90
SW2: Top Overlay "4" at 93.525,71.739 h1 r90; Top Overlay "1" at 93.525,60.785 h1 r90; Mechanical 14 "4" at 93.525,71.739 h1 r90; Mechanical 14 "1" at 93.525,60.785 h1 r90
SW3: Top Overlay "3" at 91.35,27.419 h1 r90; Top Overlay "1" at 91.35,19.005 h1 r90; Mechanical 14 "3" at 91.35,27.419 h1 r90; Mechanical 14 "1" at 91.35,19.005 h1 r90